# Altium PCB WS485H-V5_RS.PcbDoc
Units mm, origin at the board's own origin, x right, y up, seen from the top; angles counter-clockwise.
Board outline 80.13 x 50.13 mm, 2 copper layers (TopLayer, BottomLayer); 119 components, 72 nets, 380 pads, 520 vias.
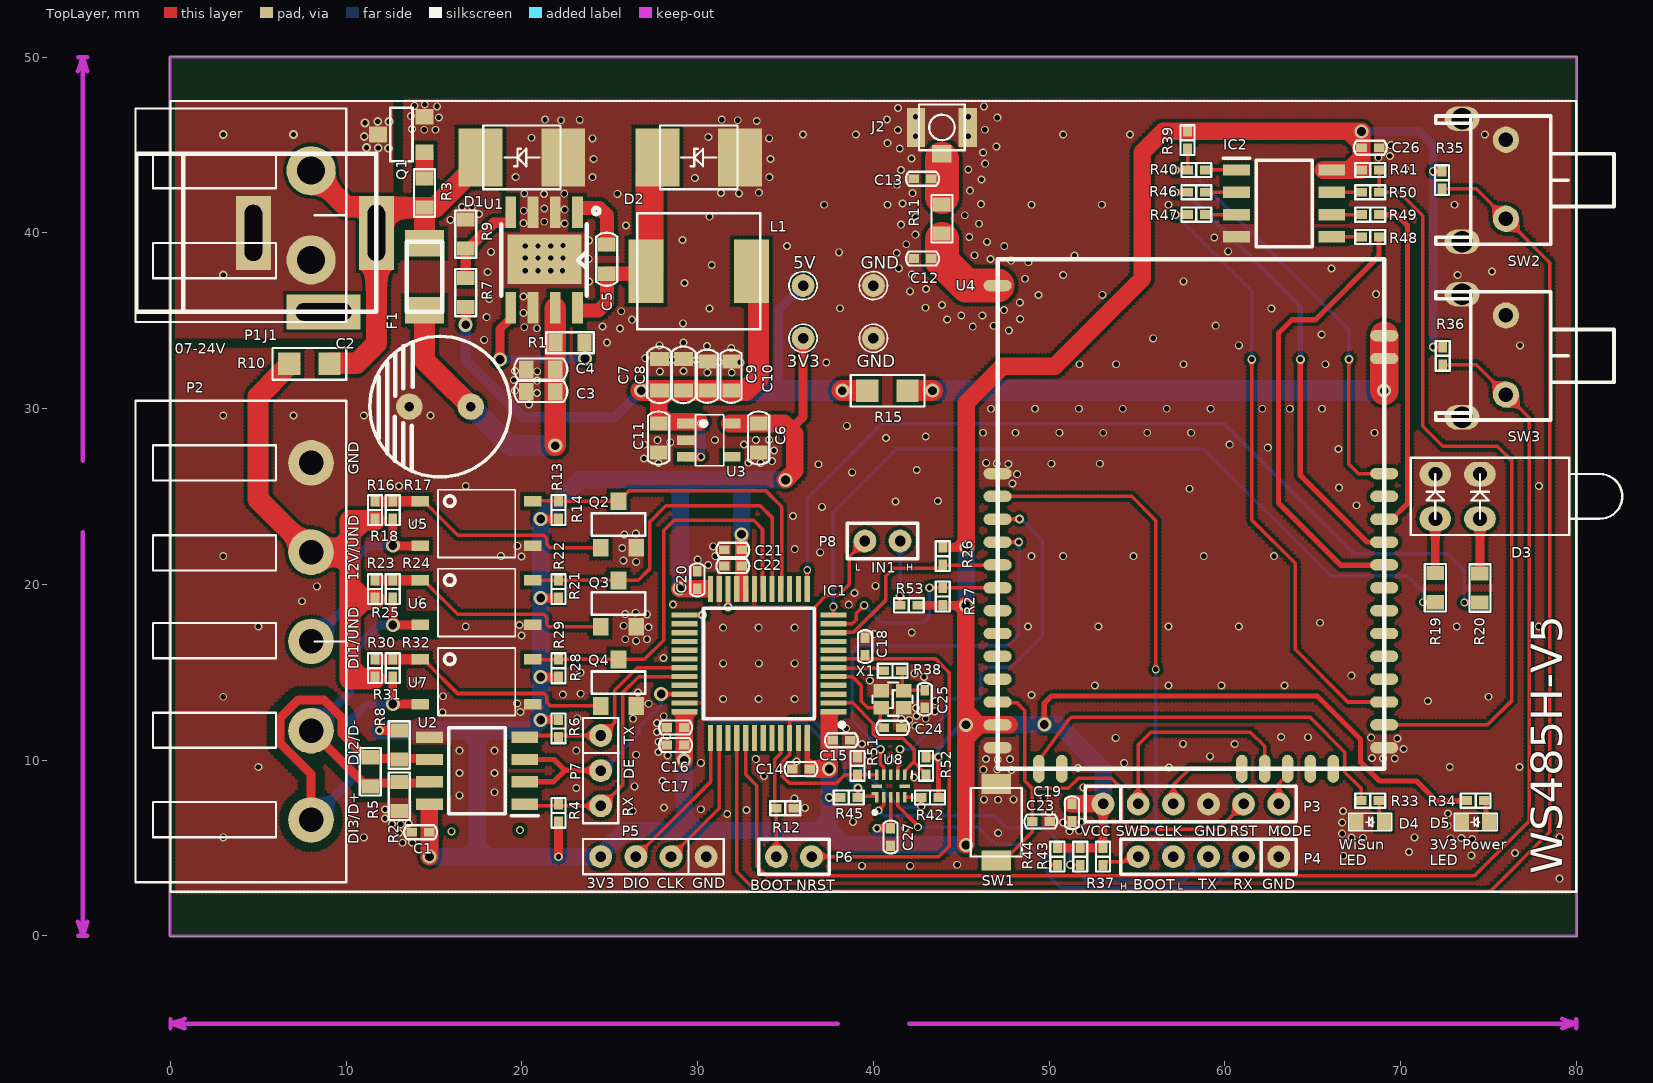
[diagram p0: TopLayer view]
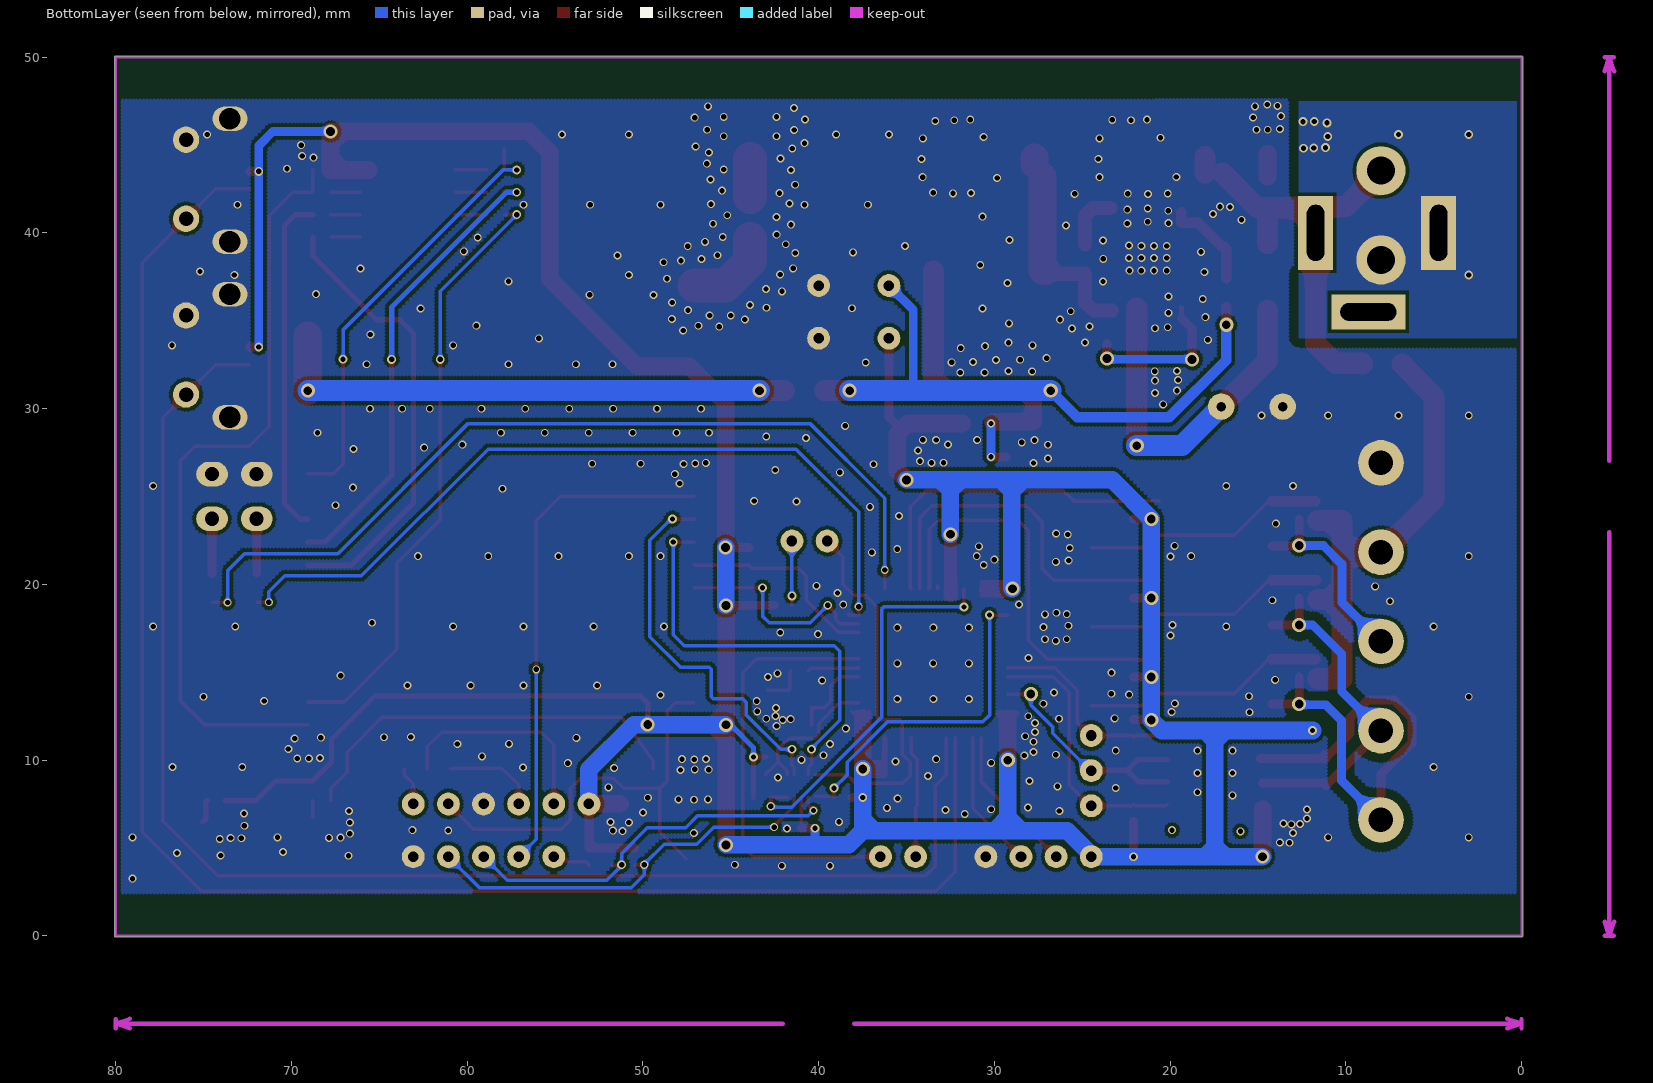
[diagram p1: BottomLayer view, seen from below]

## Layer stack, top to bottom
TopSolder: solder mask 0.0102, Solder Resist, Dk 3.5
TopLayer: signal copper 0.0356
Dielectric1: core 0.32, FR-4, Dk 4.8
BottomLayer: signal copper 0.0356
BottomSolder: solder mask 0.0102, Solder Resist, Dk 3.5

## Board outline
0,-0.064 -0.013,-0.064 -0.036,-0.054 -0.054,-0.036 -0.064,-0.013 -0.064,0 -0.064,50 -0.064,50.013 -0.054,50.036 -0.036,50.054 -0.013,50.064 0,50.064 80,50.064 80.013,50.064 80.036,50.054 80.054,50.036 80.064,50.013 80.064,50 80.064,0 80.064,-0.013 80.054,-0.036 80.036,-0.054 80.013,-0.064 80,-0.064

## Design rules (kind name [scope] priority, off if disabled: settings)
Clearance Clearance_3 [InNet('GND') vs InNet('PGND')] p1: gap=0.5 ignorepadtopadclearanceinfootprint=FALSE except(0.2: Arc-Text Arc-Hole Track-Text Track-Hole SMDPad-Text SMDPad-Hole THPad-Text THPad-Hole Via-Text Via-Hole Fill-Text Fill-Hole Poly-Text Poly-Hole Region-Text Region-Hole Text-Text Text-Hole)
Clearance Clearance_2 [(InNet('D+')) vs (InNet('GND'))] p2: gap=0.5 ignorepadtopadclearanceinfootprint=FALSE except(0: Arc-Hole Track-Hole SMDPad-Hole THPad-Hole Via-Hole Fill-Hole Poly-Hole Region-Hole Text-Hole)
Clearance Clearance_1 [(InNet('D-')) vs (InNet('GND'))] p3: gap=0.5 ignorepadtopadclearanceinfootprint=FALSE except(0: Arc-Hole Track-Hole SMDPad-Hole THPad-Hole Via-Hole Fill-Hole Poly-Hole Region-Hole Text-Hole)
Clearance [All] p4: gap=0.2 ignorepadtopadclearanceinfootprint=FALSE except(0: Arc-Hole Track-Hole SMDPad-Hole THPad-Hole Via-Hole Fill-Hole Poly-Hole Region-Hole Text-Hole)
ComponentClearance [All] p1 off: gap=0.254 collisioncheckmode=3 verticalgap=0.254 showdistances=FALSE
DiffPairsRouting [(InNet('D+') AND InNet('D-'))] p1: maxlimit=0.152 minlimit=0.152 mostfreqgap=0.152 toplayer_minwidth=0.381 toplayer_maxwidth=0.381 toplayer_prefwidth=0.381 bottomlayer_minwidth=0.381 bottomlayer_maxwidth=0.381 bottomlayer_prefwidth=0.381 maxuncoupledlength=12.7
FabricationTestPointUsage TestPointUsage [All] p1: valid=0 allowmultiple=FALSE
FabricationTestpoint Testpoint [(IsPad And (OnTopLayer Or OnBottomLayer))] p1: side=3 testpointundercomponent=TRUE minsize=1.016 maxsize=2.54 preferedsize=1.524 minholesize=0.508 maxholesize=1.016 preferedholesize=0.813 testpointgrid=0.025 allowsidetop=TRUE allowsidebottom=TRUE usegrid=TRUE gridtolerance=0
HoleSize [All] p1: absolutevalues=TRUE maxlimit=5.5 minlimit=0.025 maxpercent=80.000 minpercent=20.000
HoleToHoleClearance [All] p1 off: gap=0.254 allowstackedmicrovias=TRUE
MinimumSolderMaskSliver [All] p1 off: minsoldermaskwidth=0.254
PolygonConnect [All] p1: connectstyle=Direct reliefconductorwidth=0.6 reliefentries=4 polygonreliefangle="90 Angle" airgapwidth=0.254
RoutingVias [All] p1: holewidth=0.4 width=0.7 viastyle="Through Hole" minholewidth=0.3 minwidth=0.5 maxholewidth=0.8 maxwidth=0.8
SilkToSilkClearance [All] p1 off: silktosilkclearance=0.254
SilkToSolderMaskClearance SilkscreenOverComponentPads [IsPad] p1 off: minsilkscreentomaskgap=0.254 clearancetoexposedcopper=TRUE
SolderMaskExpansion [All] p1: expansion=0.102 istentingtop=FALSE
Width Width_1 [(InNet('D+') AND InNet('D-'))] p1: maxlimit=0.261 minlimit=0.261 preferedwidth=0.261
Width [All] p2: maxlimit=5 minlimit=0.2 preferedwidth=0.8
21 further rules are at their usual default settings.

## Classes and differential pairs
component class WS485H-V5_RS-BlockDiagram: *1 *2 *3 *4 *5 *6 *7 *8 *9 *10 *11 *12

## Components (designator, comment, footprint, x,y, rotation, side; value= is the part's Value field where it differs from the comment)
3V3 "3V3" TESTPAD-1.5X0.6MM 36,34 r90 top (schematic designator =Value)
5V "5V" TESTPAD-1.5X0.6MM 36,37 r90 top (schematic designator =Value)
C1 "0.1uF" 0402C 14.232,5.89 r0 top
C2 "100uF/25V" "DIP CAP-8*3.5" 15.34,30.11 r180 top
C3 "10uF" 0603C 21.069,30.966 r0 top value=10uf
C4 "0.1uF" 0603C 21.069,32.243 r0 top
C5 "10nF" 0603C 24.828,38.5 r270 top
C6 "1uF" 0603C 33.47,28.326 r90 top
C7 "22uF" 0805C 27.835,31.917 r270 top
C8 "22uF" 0805C 29.19,31.917 r270 top
C9 "10uF" 0603C 30.546,31.843 r270 top
C10 "0.1uF" 0603C 31.901,31.843 r270 top
C11 "1uF" 0603C 27.779,28.326 r90 top
C12 "0.1uF/NC" 0402C 42.8,38.54 r0 top
C13 "0.1uF/NC" 0402C 42.8,43.08 r0 top
C14 "0.1uF" 0402C 35.882,9.49 r0 top
C15 "0.1uF" 0402C 38.181,11.12 r180 top
C16 "0.1uF" 0402C 28.744,11.85 r180 top
C17 "4.7uf" 0402C 28.744,10.85 r180 top
C18 "0.1uF" 0402C 39.53,16.45 r90 top
C19 "0.1uF" 0402C 51.305,7 r90 top
C20 "0.1uF" 0402C 29.982,20.248 r270 top
C21 "1uF" 0402C 32,21.96 r180 top
C22 "10nf" 0402C 32,21.04 r180 top
C23 "0.1uF" 0402C 49.53,6.5 r0 top
C24 "8.2pF/NC" 0402C 41.1,11.83 r0 top
C25 "8.2pF/NC" 0402C 42.92,13.465 r270 top
C26 "1uF/NC" 0402C 68.277,44.848 r180 top
C27 "0.1uF" 0402C 40.98,5.62 r270 top
D1 "SMBJ24A 600W" SMBJ40CA(TVS) 20,44.29 r180 top
D2 "SS34" SMBJ40CA(TVS) 30.06,44.29 r180 top
D3 "LED-TWO" LEDX2HOLD 73.25,25 r270 top
D4 "Green_LED/NC" LED0603--0.4mm 68.275,6.474 r180 top
D5 "Green_LED/NC" LED0603--0.4mm 74.275,6.474 r180 top
F1 "FUSE 1206 24V-1A" 1206-FUSE 14.455,37.5 r0 top
GND "GND" TESTPAD-1.5X0.6MM 40,34 r90 top (schematic designator =Value)
GND "GND" TESTPAD-1.5X0.6MM 40,37 r90 top (schematic designator =Value)
IC1 "STM32G431C8T6" QFP50P900X900X160-48N 33.482,15.5 r180 top
IC2 "IS62WVS2568FBLL-20NLI/NC" SOIC127P600X175-8N 63.377,41.673 r0 top
J1 "DC JACK-2.5T" "DC JACK-2.5T-NEW" 4.713,40 r270 top
J2 "I-PEX-CON" I-PEX-CON 43.9,44.5 r270 top
L1 "4.7uH" L7X6.6 30.06,37.82 r0 top
P1 "CON2-5.08mm" OQ5.08-90D-2P 8,41 r270 top
P2 "HD-515R8 5.08 pitch工業接線端子" OQ5.08-90D-5P 8,16.75 r270 top
P3 "6PIN-200" 6pin-200_1.3_0.6 53.07,7.5 r0 top
P4 "5Pin-200" 5pin-200_1.3_0.6 63.07,4.5 r180 top
P5 "4PIN-200" 4PIN-200_1.3_0.6 30.482,4.5 r180 top
P6 "2PIN-200/NC" 2PIN-200_1.3_0.6 34.482,4.5 r0 top
P7 "PIN3/NC" 3PIN-200_1.3_0.6 24.482,11.395 r270 top
P8 "2PIN-200" 2PIN-200_1.3_0.6 39.518,22.464 r0 top
Q1 "SM2404NSanC" SOT-23 14.455,44.58 r90 top
Q2 "2SK3664/NC" SOT-23 24.482,22.083 r0 top
Q3 "2SK3664/NC" SOT-23 24.482,17.583 r0 top
Q4 "2SK3664/NC" SOT-23 24.482,13.083 r0 top
R1 "0R" 0603 22.74,33.75 r0 top
R2 "3.3K" 0603 13.02,7.935 r90 top
R3 "1K" 0603 14.455,42.265 r270 top
R4 "10K" 0402 22.082,6.99 r270 top
R5 "120R/NC" 0603 11.366,9.33 r90 top
R6 "10K" 0402 22.082,11.8 r90 top
R7 "31K 1%" 0603 16.8,36.6 r270 top
R8 "3.3K" 0603 13.02,10.856 r90 top
R9 "10K 1%" 0603 16.8,39.927 r270 top
R10 "0R/NC" 0805 7.907,32.542 r180 top
R11 "0R" 0603 43.9,40.8 r90 top
R12 "10K" 0402 34.982,7.25 r180 top
R13 "10K/NC" 0402 22.082,24.225 r270 top
R14 "10K/NC" 0402 22.082,24.225 r270 top
R15 "0R/NC" 0805 40.8,31.017 r0 top
R16 "1K/NC" 0402 11.635,24.222 r90 top
R17 "10K/NC" 0402 12.651,24.222 r90 top
R18 "10M/NC" 0402 12.651,24.222 r270 top
R19 "220R" 0603 71.98,19.805 r270 top
R20 "220R" 0603 74.52,19.79 r270 top
R21 "10K/NC" 0402 22.082,19.725 r270 top
R22 "10K/NC" 0402 22.082,19.725 r270 top
R23 "1K/NC" 0402 11.635,19.725 r90 top
R24 "10K/NC" 0402 12.651,19.725 r90 top
R25 "10M/NC" 0402 12.651,19.725 r270 top
R26 "10K" 0402 43.946,21.6 r90 top
R27 "10K" 0402 43.946,19.302 r270 top
R28 "10K/NC" 0402 22.082,15.225 r270 top
R29 "10K/NC" 0402 22.082,15.225 r270 top
R30 "1K/NC" 0402 11.635,15.226 r90 top
R31 "10M/NC" 0402 12.651,15.226 r270 top
R32 "10K/NC" 0402 12.651,15.226 r90 top
R33 "220R/NC" 0402 68.275,7.689 r180 top
R34 "220R/NC" 0402 74.275,7.689 r180 top
R35 "1K" 0402 72.362,43 r270 top
R36 "1K" 0402 72.4,33 r270 top
R37 "1K" 0402 53.07,4.5 r270 top
R38 "390R/NC" 0402 41.092,15.079 r0 top
R39 "NC" 0402 57.877,45.275 r270 top
R40 "10k/NC" 0402 58.377,43.578 r0 top
R41 "10k/NC" 0402 68.277,43.578 r180 top
R42 "10K" 0402 43.22,7.87 r0 top
R43 "10K" 0402 51.77,4.5 r90 top
R44 "10K" 0402 50.47,4.5 r90 top
R45 "10K" 0402 38.6,7.87 r180 top
R46 "22R/NC" 0402 58.377,42.308 r180 top
R47 "22R/NC" 0402 58.377,41.038 r0 top
R48 "22R/NC" 0402 68.277,39.768 r180 top
R49 "22R/NC" 0402 68.277,41.038 r180 top
R50 "22R/NC" 0402 68.277,42.308 r180 top
R51 "1M" 0402 39.1,9.67 r270 top
R52 "1M" 0402 43,9.67 r270 top
R53 "1K" 0402 42.018,18.802 r180 top
SW1 "Push Button" Button_2pin-3*4*2MM 46.995,6.454 r270 top
SW2 "DTSM63N" SW-AT-1102VT1-new 74.75,43 r90 top
SW3 "DTSM63N" SW-AT-1102VT1-new 74.75,33 r90 top
U1 "EUP3489" "MOS SOP8" 23.165,41.167 r270 top
U2 "MAX3485" SOIC127P600X175-8N 17.445,9.395 r180 top
U3 "XC6223T331MR-G" SOT-23-5-0.95MM 30.679,28.202 r270 top
U4 "WS101A" WS101A 58.07,24.002 r0 top
U5 "IS181/NC" IS181-SMD 17.416,23.455 r0 top
U6 "IS181/NC" IS181-SMD 17.416,18.955 r0 top
U7 "IS181/NC" IS181-SMD 17.416,14.455 r0 top
U8 "NCN1154" IC_TXB0104RUTR 40.98,8.52 r90 top
X1 "16MHz / 8pF /NC" XTAL-SMD-20*16 41.132,13.465 r0 top

## Footprints (in the part's own frame and the unit in brackets; to place one, negate y for a bottom-side part, rotate by r counter-clockwise, add the part's x,y. Pads: shape width x height; smd on the part's side, far side on the other; paste and mask are expansions set on the pad)
2PIN-200_1.3_0.6 [mm]
  round 1.3 hole 0.6: 1(0,0) 2(2,0)
  silkscreen extent -1,-1 3,1, body extent -1,-1 3,1, height 7.45
3PIN-200_1.3_0.6 [mm]
  round 1.3 hole 0.6: 1(0,0) 2(2,0) 3(4,0)
  silkscreen extent -1,-1 5,1, body extent -1,-1 5,1, height 7.45
4PIN-200_1.3_0.6 [mm]
  round 1.3 hole 0.6: 1(0,0) 2(2,0) 3(4,0) 4(6,0)
  silkscreen extent -1,-1 7,1, body extent -1,-1 7,1, height 7.45
5pin-200_1.3_0.6 [mm]
  round 1.3 hole 0.6: 1(0,0) 2(2,0) 3(4,0) 4(6,0) 5(8,0)
  silkscreen extent -1,-1 9,1, body extent -1,-1 9,1, height 7.45
6pin-200_1.3_0.6 [mm]
  round 1.3 hole 0.6: 1(0,0) 2(2,0) 3(4,0) 4(6,0) 5(8,0) 6(10,0)
  silkscreen extent -1,-1 11,1, body extent -1,-1 11,1, height 7.45
0402 [mm]
  rect 0.6x0.5 smd: 1(-0.5,0) 2(0.5,0)
  silkscreen extent -0.85,-0.4 0.85,0.4, body extent -0.5,-0.25 0.5,0.25, height 0.25
0402C [mm]
  rect 0.6x0.5 smd: 1(-0.5,0) 2(0.5,0)
  silkscreen extent -0.94,-0.4 0.94,0.4, body extent -0.52,-0.28 0.52,0.28, height 0.25
0603 [mm]
  rect 0.8x1 smd: 1(-0.826,0) 2(0.826,0)
  silkscreen extent -1.35,-0.6 1.35,0.6, body extent -0.8,-0.4 0.8,0.4, height 0.45
0603C [mm]
  rect 0.8x1 smd: 1(-0.826,0) 2(0.826,0)
  silkscreen extent -1.51,-0.6 1.51,0.6, body extent -0.85,-0.44 0.85,0.44, height 0.9
0805 [mil]
  rect 50x50 smd: 1(-45,0) 2(45,0)
  silkscreen extent -82,-35 83,35, body extent -39,-25 40,25, height 17
0805C [mm] "0805C"
  rect 0.8x1.1 smd: 1(-0.9,0) 2(0.9,0)
  silkscreen extent -1.61,-0.7 1.61,0.7, body extent -1.1,-0.73 1.1,0.72, height 0.92
1206-FUSE [mm] "1206-FUSE"
  rect 2.2x1.5 smd: 1(0,1.905) 2(0,-1.905)
  silkscreen extent -1,-2 1,2, body extent -0.78,-1.55 0.78,1.55, height 0.61
Button_2pin-3*4*2MM [mm] "Button_2pin-3*4*2MM"
  rect 1.15x1.7 smd: 1(2.175,0) 2(-2.175,0)
  silkscreen extent -1.95,-1.45 1.95,1.45, body extent -2.45,-1.45 2.45,1.45, height 2
"DC JACK-2.5T-NEW" [mm] "DC JACK-2.5T-NEW"
  rect 4.2x2 hole 1 slot 3.2 at 0 deg: 1(0,7) 2(0,0)
  rect 2x4.2 hole 1 slot 3.2 at 90 deg: 3(4.498,4.001)
  silkscreen extent -4.5,-6.65 4.5,7, body extent -4.8,-6.87 4.8,7.23, height 11.1
"DIP CAP-8*3.5" [mm]
  round 1.5 hole 0.55: 1(-1.75,0) 2(1.75,0)
  silkscreen extent -4,-4 4,4, body extent -3.15,-3.15 3.15,3.15, height 7
I-PEX-CON [mm]
  rect 1x1.1 smd: 1(0,0)
  rect 2.2x1.05 smd: 2(-1.5,1.475) 2(-1.5,-1.475)
  silkscreen extent -2.8,-1.3 -0.2,1.3, body extent -3.05,-1.5 0.05,1.5, height 1.25
IC_TXB0104RUTR [mm]
  rect 0.6x0.2 smd paste-1 mask+0: 1(-0.65,0.8) 2(-0.65,0.4) 3(-0.65,0) 4(-0.65,-0.4) 5(-0.65,-0.8) 7(0.65,-0.8) 8(0.65,-0.4) 9(0.65,0) 10(0.65,0.4) 11(0.65,0.8)
  rect 0.15x0.4 smd paste-1 mask+0: 1(-0.425,0.9)
  rect 0.2x0.6 smd paste-1 mask+0: 6(0,-0.8) 12(0,0.8)
  silkscreen extent -1.6,-1.21 0.85,1.21
IS181-SMD [mm] "IS181-SMD"
  rect 1x0.6 smd: 1(-3.2,1.27) 2(-3.2,-1.27) 3(3.2,-1.27) 4(3.2,1.27)
  silkscreen extent -2.2,-1.92 2.2,1.92, body extent -4.29,-2.29 4.29,2.29, height 3.83
L7X6.6 [mm] "L7X6.6"
  rect 2x3.6 smd: 1(-3,0) 2(3,0)
  silkscreen extent -3.5,-3.3 3.5,3.3, body extent -3.59,-3.25 3.59,3.25, height 1.77
LED0603--0.4mm [mm] "LED0603--0.4mm"
  rect 0.8x0.9 smd: 1(-0.775,0) 2(0.775,0)
  silkscreen extent -1.22,-0.5 1.23,0.5, body extent -0.81,-0.36 0.84,0.36, height 0.68
LEDX2HOLD [mm]
  oval 1.4x1.8 hole 0.8: 1(1.27,1.27) 2(-1.27,1.27) 3(1.27,-1.27) 4(-1.27,-1.27)
  silkscreen extent -2.2,-2.67 2.2,9.37
"MOS SOP8" [mil]
  rect 70.87x24 smd: 1(0,0) 2(0,-50) 3(0,-100) 4(0,-150) 5(214,-150) 6(214,-100) 7(214,-50) 8(214,0)
  rect 110.24x165.35 smd: 9(105,-74)
  silkscreen extent -10,-171 187,49, body extent -17,-172 227,24, height 68
OQ5.08-90D-2P [mm]
  round 2.8 hole 1.6: 1(-2.54,0) 2(2.54,0)
  silkscreen extent -6.08,-10 6.08,2, body extent -6.08,-10 6.08,2, height 8.55
OQ5.08-90D-5P [mm]
  round 2.6 hole 1.4: 1(-10.16,0) 2(-5.08,0) 3(0,0) 4(5.08,0) 5(10.16,0)
  silkscreen extent -13.7,-10 13.7,2, body extent -13.7,-10 13.7,2, height 8.55
QFP50P900X900X160-48N [mm]
  rect 1.475x0.3 smd: 1(-4.238,2.75) 2(-4.238,2.25) 3(-4.238,1.75) 4(-4.238,1.25) 5(-4.238,0.75) 6(-4.238,0.25) 7(-4.238,-0.25) 8(-4.238,-0.75) 9(-4.238,-1.25) 10(-4.238,-1.75) 11(-4.238,-2.25) 12(-4.238,-2.75) 25(4.238,-2.75) 26(4.238,-2.25) 27(4.238,-1.75) 28(4.238,-1.25) 29(4.238,-0.75) 30(4.238,-0.25) 31(4.238,0.25) 32(4.238,0.75) 33(4.238,1.25) 34(4.238,1.75) 35(4.238,2.25) 36(4.238,2.75)
  rect 0.3x1.475 smd: 13(-2.75,-4.238) 14(-2.25,-4.238) 15(-1.75,-4.238) 16(-1.25,-4.238) 17(-0.75,-4.238) 18(-0.25,-4.238) 19(0.25,-4.238) 20(0.75,-4.238) 21(1.25,-4.238) 22(1.75,-4.238) 23(2.25,-4.238) 24(2.75,-4.238) 37(2.75,4.238) 38(2.25,4.238) 39(1.75,4.238) 40(1.25,4.238) 41(0.75,4.238) 42(0.25,4.238) 43(-0.25,4.238) 44(-0.75,4.238) 45(-1.25,4.238) 46(-1.75,4.238) 47(-2.25,4.238) 48(-2.75,4.238)
  silkscreen extent -4.85,-3.15 3.15,3.62, body extent -4.5,-4.5 4.5,4.5, height 1.6
SMBJ40CA(TVS) [mm] "SMBJ40CA(TVS)"
  rect 2.5x3.3 smd: 1(-2.35,0) 2(2.35,0)
  silkscreen extent -2.2,-1.81 2.2,1.81, body extent -2.8,-1.97 2.8,1.97, height 2.44
SOIC127P600X175-8N [mm]
  rect 1.525x0.65 smd: 1(-2.712,1.905) 2(-2.712,0.635) 3(-2.712,-0.635) 4(-2.712,-1.905) 5(2.712,-1.905) 6(2.712,-0.635) 7(2.712,0.635) 8(2.712,1.905)
  silkscreen extent -3.47,-2.45 1.6,2.58, body extent -3,-2.45 3,2.45, height 1.75
SOT-23 [mil]
  rect 35x40 smd: 1(0,0) 2(80,0) 3(40,104)
  silkscreen extent -20,27 100,77, body extent -19,0 99,104, height 43
SOT-23-5-0.95MM [mm] "SOT-23-5-0.95MM"
  rect 0.55x1 smd: 1(-0.95,-1.35) 2(0,-1.35) 3(0.95,-1.35) 4(0.95,1.25) 5(-0.95,1.25)
  silkscreen extent -1.45,-0.8 1.45,0.8, body extent -1.5,-1.25 1.5,1.25, height 1.1
SW-AT-1102VT1-new [mm] "SW-AT-1102VT1-new"
  oval 1.4x2 hole 1.227: 0(-3.5,1.25) 0(3.5,1.25)
  round 1.5 hole 0.827: 1(-2.2,-1.25) 2(2.3,-1.25)
  silkscreen extent -3.65,-7.4 3.7,2.75
TESTPAD-1.5X0.6MM [mm]
  round 1.3 hole 0.6: 1(0,0)
  silkscreen extent -0.8,-0.8 0.8,0.8
WS101A [mm] "Vertexcom"
  oval 1.6x0.65 smd: 1(-11,13) 2(-11,2.3) 3(-11,1) 4(-11,-0.3) 5(-11,-1.6) 6(-11,-2.9) 7(-11,-4.2) 8(-11,-5.5) 9(-11,-6.8) 10(-11,-8.1) 11(-11,-9.4) 12(-11,-10.7) 13(-11,-12) 14(-11,-13.3) 22(11,-13.3) 23(11,-12) 24(11,-10.7) 25(11,-9.4) 26(11,-8.1) 27(11,-6.8) 28(11,-5.5) 29(11,-4.2) 30(11,-2.9) 31(11,-1.6) 32(11,-0.3) 33(11,1) 34(11,2.3) 35(11,8.85) 36(11,10.15)
  oval 0.65x1.6 smd: 15(-8.65,-14.5) 16(-7.35,-14.5) 17(2.9,-14.5) 18(4.2,-14.5) 19(5.5,-14.5) 20(6.8,-14.5) 21(8.1,-14.5)
  silkscreen extent -11,-14.5 11,14.5
XTAL-SMD-20*16 [mm] "XTAL-SMD-20X16"
  rect 0.875x0.775 smd: 1(-0.675,-0.5) 2(0.6,0.475) 3(0.6,-0.5) 4(-0.675,0.475)
  silkscreen extent -1.18,-0.95 1.1,0.95, body extent -1,-0.8 1,0.8, height 0.55

## Part data
3V3 5V GND GND: library part TP, "Test point"
C1 C12 C13 C19 C24 C25 C26 C27: library part CAP, "Capacitor"
C2: library part "C POL", Package Height=1.8mm, Part Number=53300833000, Rating=10V, Tolerance=20%, Bottom=20, PCB_dir=0.000000, PCB_loc=Top, PCB_x=19.129500, PCB_y=12.184000, Right=20
C3 C7 C8 C9 C10: library part "Cap Semi", "Capacitor"
  C3: LatestRevisionDate=17-Jul-2002, LatestRevisionNote="Re-released for DXP Platform.", PackageReference=C1206, Published=8-Jun-2000, Publisher="Altium Limited"
C4 C5 C6 C11 C14 C15 C16 C17 C18 C20 C21 C22 C23: library part "Cap Semi", "Capacitor (Semiconductor SIM Model)", LatestRevisionDate=17-Jul-2002, LatestRevisionNote="Re-released for DXP Platform.", PackageReference=C1206, Published=8-Jun-2000, Publisher="Altium Limited"
D1: library part PESD5V0L1BA, "Zener Diode"
D2: "Schottky Diode"
D4 D5: library part LED, Manufacturer=Citizen, Manufacturer's Part Number=CL-170G-CD-T, Old Part Number=4317000, Package Height=1.1mm, Part Number=41100017000, Bottom=20, Cost=0.48, FPLIST=mot/0805LED,dig/0805led, PCB_dir=90.000000, PCB_x=46.095000, PCB_y=6.420000, Right=40
F1: library part FUSE2, "Fuse"
IC1: "Integrated Circuit", Manufacturer_Name=STMicroelectronics, Datasheet Link=https://www.arrow.com/en/products/stm32g431c8t6/stmicroelectronics, Height=1.6mm, Manufacturer_Part_Number=STM32G431C8T6
IC2: library part IS62WVS2568FBLL-20NLI, "Integrated Circuit", Manufacturer_Name="Integrated Silicon Solution Inc.", Mouser2 Part Number=870-WVS2568FBLL20NLI, Datasheet Link=https://componentsearchengine.com//IS62WVS2568FBLL-20NLI.pdf, Height=1.75mm, Manufacturer_Part_Number=IS62WVS2568FBLL-20NLI, Mouser2 Price/Stock=https://www.mouser.com/Search/Refine.aspx?Keyword=870-WVS2568FBLL20NLI
J1: library part DCJACK-1, "Low Voltage Power Supply Connector"
J2 P1 P6 P8: library part CON2, "Connector"
L1: library part Inductor, "Inductor", Code_IEC=1005, Code_JEITA=0402, LatestRevisionDate=17-Jul-2002, LatestRevisionNote="Re-released for DXP Platform.", PackageReference=0402-A, Published=8-Jun-2000, Publisher="Altium Limited"
P2: library part "Header 5", "Header, 5-Pin", LatestRevisionDate=17-Jul-2002, LatestRevisionNote="Re-released for DXP Platform.", Publisher="Altium Limited"
P3: "Pin Header", LatestRevisionDate=17-Jul-2002, LatestRevisionNote="Re-released for DXP Platform.", Publisher="Altium Limited"
P4: library part PIN5
P5: library part CON4, "Connector"
P7: library part PIN3, "Connector"
Q1 Q2 Q3 Q4: library part "MOSFET N-1", "N-Channel Mosfet"
R1 R2 R3 R4 R5 R6 R7 R8 R9 R10 R11 R12 R13 R14 R15 R16 R17 R18 R19 R20 R21 R22 R23 R24 R25 R26 R27 R28 R29 R30 R31 R32 R33 R34 R35 R36 R37 R38 R39 R40 R41 R42 R43 R44 R45 R46 R47 R48 R49 R50 R51 R52 R53: library part "Res Semi", "Semiconductor Resistor", LatestRevisionDate=17-Jul-2002, LatestRevisionNote="Re-released for DXP Platform.", PackageReference=AXIAL-0.5, Published=8-Jun-2000, Publisher="Altium Limited"
SW1 SW2 SW3: library part SW1
U1: "DC-DC  Buck 5A,30V"
U2: library part ISL3178EIBZ-T, "Integrated Circuit", Manufacturer_Name="Renesas Electronics", Datasheet Link=https://www.renesas.com/en-us/www/doc/datasheet/isl3170e-71e-72e-73e-74e-75e-76e-77e-78e.pdf, Height=1.75mm, Manufacturer_Part_Number=ISL3178EIBZ-T
U5 U6 U7: library part Optoisolator1, "4-Pin Phototransistor Optocoupler", DatasheetDocument=Nov-2003, LatestRevisionDate=04-Mar-2005, LatestRevisionNote="Sch pins 3 & 4 Swapped.", PackageReference=DIP-4, Published=24-Mar-1999, Publisher="Altium Limited"
U8: Package="UQFN-12 Texas Instruments", Digi-Key_Part_Number=296-25888-1-ND, Digi-Key_Purchase_URL=https://www.digikey.com/product-detail/en/texas-instruments/TXB0104RUTR/296-25888-1-ND/2242752?utm_source=snapeda&utm_medium=aggregator&utm_campaign=symbol, MF="Texas Instruments", MP=TXB0104RUTR, SnapEDA_Link=https://www.snapeda.com/parts/TXB0104RUTR/Texas%20Instruments/view-part/44415/?ref=snap
X1: library part XTAL-SMD-25*32

## Via types
v1: diameter 0.45, hole 0.3, TopLayer to BottomLayer, tented both sides, 456 vias
v2: diameter 0.5, hole 0.3, TopLayer to BottomLayer, tented both sides, 36 vias
v3: diameter 0.8, hole 0.5, TopLayer to BottomLayer, tented both sides, 28 vias
